# KiCad board digital.kicad_pcb (continued)
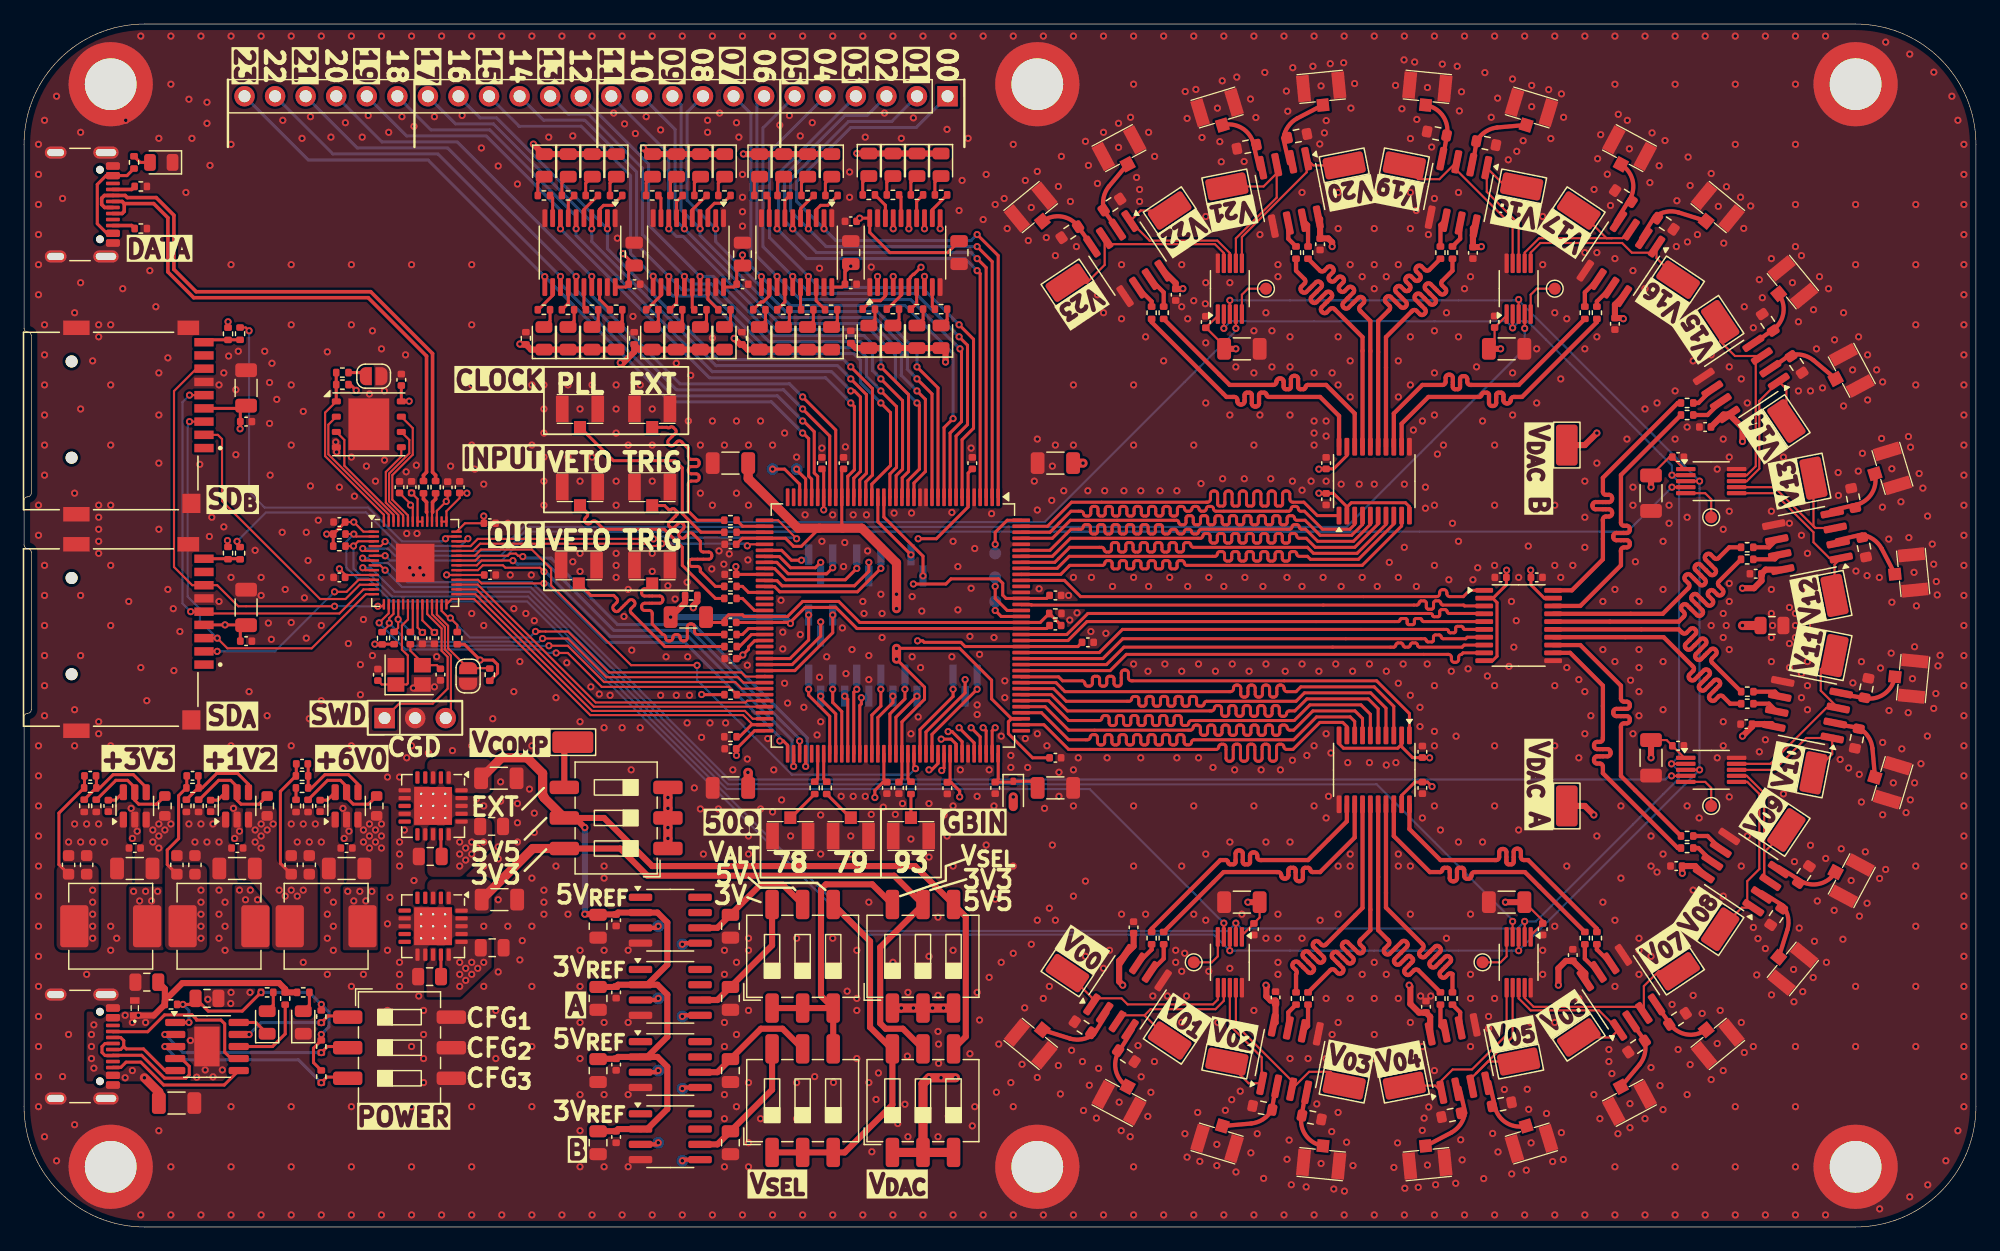
[diagram p0: board, top side]
## Routing (per net, layer and track width the routed paths; a pad name or vN(x,y) marks a point on that pad's centre or on a via; arc(x,y) is an arc through that point) (continued)
/MCU/USB_D+: length 46.2
  Top w0.298: 8.33,85.08 10.77,85.08 11.95,83.9 11.95,79.4 14.1,77.25 28.6,77.25 33.45,72.4 33.45,62.75 33.19,62.49 R25.1 ; 8.33,85.08 8.33,84.42 8.15,84.25 J20.B6 ; 8.33,85.08 8.15,85.25 J20.A6
/MCU/USB_D-: length 47.9
  Top w0.298: R26.1 34.2,62.49 33.94,62.75 33.94,72.61 28.8,77.75 14.3,77.75 12.45,79.6 12.45,84.1 10.98,85.58 8.58,85.58 8.4,85.75 J20.B7 6.68,85.75 6.45,85.52 6.45,85 6.7,84.75 J20.A7
/MCU/VREF_SCL: length 209.4
  Top w0.178: U15.2 v1(100.7,25.26) ; U18.2 v1(136.9,38.5) ; U20.2 v1(136.94,62.5) ; U23.2 v1(99.7,74.7) ; U4.3 27.77,57 v1(27.37,56.61) 27.37,56.6 R22.2 ; v1(123.7,74.74) U21.2 ; U16.2 v1(124.7,25.4)
  Bottom w0.178: v1(27.37,56.61) 27.37,54.74 27.9,54.21 28.79,54.21 30.6,52.4 41.9,52.4 69.7,24.6 100.04,24.6 v1(100.7,25.26) 101.15,24.81 124.11,24.81 v1(124.7,25.4) 125.63,25.4 136.22,35.98 137.49,37.26 137.49,37.91 v1(136.9,38.5) 137.53,39.13 137.53,61.91 v1(136.94,62.5) 136.94,63.29 126.47,73.77 124.94,75.29 124.25,75.29 v1(123.7,74.74) 123.15,75.29 100.29,75.29 v1(99.7,74.7)
/MCU/VREF_SDA: length 213.6
  Top w0.178: U4.2 27.6,57.4 v1(27.4,57.6) R23.2 ; U23.3 v1(100.2,77.03) ; U20.3 v1(139.23,62) ; U21.3 v1(124.2,77.1) ; U18.3 v1(139.23,38) ; U15.3 v1(100.2,22.97) ; U16.3 v1(124.2,22.97)
  Bottom w0.178: v1(100.2,77.03) 124.13,77.03 v1(124.2,77.1) 124.2,77.03 v1(139.23,62) v1(139.23,38) 139.23,38 129.22,27.98 v1(124.2,22.97) v1(100.2,22.97) 98.87,24.3 69.5,24.3 41.8,52 30.5,52 28.6,53.9 27.7,53.9 26.78,54.82 26.78,56.98 v1(27.4,57.6)
/MCU/XIN: length 9.6
  Top w0.178: C39.2 29.72,45.1 Y1.1 31.8,45.1 31.89,45.19 31.89,47.51 31.4,48 31.4,50 31.9,50.5 U4.20
/MCU/XOUT: length 2.4
  Top w0.178: U4.21 32.3,49.66 R37.2
/MCU/~{LDAC}0: length 85.9
  Top w0.178: v1(99.7,25.26) 99.7,25.26 U15.4 ; v1(28.15,54.8) 28.34,54.6 U4.9
  Bottom w0.178: v1(28.15,54.8) 28.8,54.8 30.8,52.8 42,52.8 58.4,36.4 88.56,36.4 v1(99.7,25.26)
/MCU/~{LDAC}1: length 108.2
  Top w0.178: v1(30,54.6) 29.6,55 U4.8 ; U16.4 v1(123.7,25.4)
  Bottom w0.178: v1(123.7,25.4) 123.7,25.5 112.4,36.8 58.5,36.8 42.1,53.2 31.4,53.2 v1(30,54.6)
/MCU/~{LDAC}2: length 118.7
  Top w0.178: U4.7 28.33,55.4 v1(28.13,55.6) ; v1(136.9,37.5) U18.4
  Bottom w0.178: v1(28.13,55.6) 28.6,55.6 29.01,55.19 30.24,55.19 31.83,53.6 42.2,53.6 58.6,37.2 136.4,37.2 136.7,37.5 v1(136.9,37.5)
/MCU/~{LDAC}3: length 111.7
  Top w0.178: U20.4 136.94,61.5 v1(136.94,61.5) ; U4.6 v1(30,55.8)
  Bottom w0.178: v1(30,55.8) 30.01,55.8 30.41,55.4 39.7,55.4 42.1,57.8 133.24,57.8 v1(136.94,61.5)
/MCU/~{LDAC}4: length 107.8
  Top w0.178: U21.4 v1(124.7,74.7) ; U4.5 28.34,56.2 v1(28.15,56.4)
  Bottom w0.178: v1(28.15,56.4) 28.15,56.39 30.24,56.39 30.83,55.8 39.6,55.8 42,58.2 109.9,58.2 124.7,73 v1(124.7,74.7)
/MCU/~{LDAC}5: length 81.1
  Top w0.178: U23.4 v1(100.7,74.7) ; v1(30,56.98) 30,56.97 29.63,56.6 U4.4
  Bottom w0.178: v1(100.7,74.7) 100.7,74.5 84.8,58.6 41.9,58.6 39.5,56.2 31,56.2 30.22,56.98 v1(30,56.98)
Net-(C40-Pad2): length 3.8
  Top w0.178: C40.2 34.3,46.7 Y1.3 33.1,46.9 32.1,47.9 R37.1
Net-(D1-A): length 1.8
  Top w0.254: R10.1 69.69,86.85 D1.2
Net-(D1-K): length 36.4
  Top w0.508: D4.1 D1.1 69.21,89.24 v1(69.2,89.25) ; v1(76.57,71.9) 76.57,72.69 D9.1 69.12,73.06 R19.1
  In2.Cu w0.508: v1(76.57,71.9) 76.57,75.58 73.65,78.5 73.65,80.49 70.2,83.94 70.2,88.25 v1(69.2,89.25)
Net-(D2-A): length 1.8
  Top w0.254: R11.1 71.69,86.85 D2.2
Net-(D3-A): length 1.8
  Top w0.254: R12.1 73.69,86.85 D3.2
Net-(D4-A): length 1.8
  Top w0.254: D4.2 75.69,86.85 R13.1
Net-(D5-A): length 1.6
  Top w0.254: D5.2 70.71,75.45 R14.1
Net-(D6-A): length 1.6
  Top w0.254: R15.1 72.71,75.45 D6.2
Net-(D7-K): length 6.2
  Top w0.254: U1.108 80.95,37.23 C19.1 82.13,36.98 D7.1 83.67,37.05 C20.1
Net-(D8-A): length 1.6
  Top w0.254: R16.1 74.71,75.45 D8.2
Net-(D9-A): length 1.6
  Top w0.254: D9.2 76.71,75.45 R18.1
Net-(D11-A): length 1.8
  Top w0.254: D11.2 23.71,18.45 R53.2
Net-(D12-A): length 1.8
  Top w0.254: D12.2 20.71,18.45 R54.2
Net-(D12-K): length 2.8
  Top w0.254: D12.1 19.26,17 U10.10
Net-(D13-A): length 1.8
  Top w0.254: 10.76,88.5 9.65,88.5 R58.1
Net-(D14-A): length 1.6
  Top w0.254: D14.2 67.58,75.29 R61.1
Net-(D14-K): length 31.6
  Top w0.508: v1(59,73.87) 59.51,73.36 59.7,73.36 60.13,72.94 D14.1 ; D18.1 D21.1 59.79,89.19 v1(59.77,89.2)
  In2.Cu w0.508: v1(59,73.87) 58.9,73.98 58.9,88.33 v1(59.77,89.2)
Net-(D15-A): length 1.6
  Top w0.254: D15.2 65.59,75.3 R62.1
Net-(D16-A): length 1.6
  Top w0.254: R63.1 63.6,75.31 D16.2
Net-(D17-A): length 1.6
  Top w0.254: R64.1 61.61,75.32 D17.2
Net-(D18-A): length 1.8
  Top w0.254: R65.1 66.59,86.78 D18.2
Net-(D19-A): length 1.8
  Top w0.254: D19.2 64.6,86.79 R66.1
Net-(D20-A): length 1.8
  Top w0.254: D20.2 62.61,86.8 R67.1
Net-(D21-A): length 1.7
  Top w0.254: D21.2 60.68,86.87 R68.1
Net-(D22-A): length 1.6
  Top w0.254: D22.2 58.71,75.32 R70.1
Net-(D22-K): length 35.5
  Top w0.508: v1(49.54,71.84) 49.8,71.84 50.7,72.74 R78.1 51.13,72.94 D22.1 ; D26.1 D29.1 51.96,89.19 v1(51.45,89.7)
  In2.Cu w0.508: v1(51.45,89.7) 51.45,73.75 v1(49.54,71.84)
Net-(D23-A): length 1.6
  Top w0.254: R71.1 56.71,75.32 D23.2
Net-(D24-A): length 1.6
  Top w0.254: D24.2 54.7,75.31 R72.1
Net-(D25-A): length 1.6
  Top w0.254: D25.2 52.71,75.32 R73.1
Net-(D26-A): length 1.8
  Top w0.254: D26.2 57.69,86.78 R74.1
Net-(D27-A): length 1.8
  Top w0.254: D27.2 55.7,86.79 R75.1
Net-(D28-A): length 1.8
  Top w0.254: R76.1 53.71,86.8 D28.2
Net-(D29-A): length 1.8
  Top w0.254: D29.2 51.69,86.78 R77.1
Net-(D30-A): length 1.6
  Top w0.254: D30.2 49.71,75.32 R80.1
Net-(D30-K): length 32.5
  Top w0.508: v1(41.2,73.4) 41.23,73.36 R88.1 42.13,72.94 D30.1 ; v1(42.32,90.02) 43.15,89.19 D37.1 D34.1
  In2.Cu w0.508: v1(41.2,73.4) 42.32,74.52 v1(42.32,90.02)
Net-(D31-A): length 1.6
  Top w0.254: R81.1 47.71,75.32 D31.2
Net-(D32-A): length 1.6
  Top w0.254: R82.1 45.71,75.32 D32.2
Net-(D33-A): length 1.6
  Top w0.254: R83.1 43.71,75.32 D33.2
Net-(D34-A): length 1.8
  Top w0.254: D34.2 48.69,86.78 R84.1
Net-(D35-A): length 1.8
  Top w0.254: R85.1 46.67,86.76 D35.2
Net-(D36-A): length 1.8
  Top w0.254: D36.2 44.69,86.78 R86.1
Net-(D37-A): length 1.8
  Top w0.254: R87.1 42.69,86.78 D37.2
Net-(J1-In): length 2.8
  Top w0.254: J1.1 63.73,34.03 R1.1
Net-(J2-In): length 2.8
  Top w0.254: J2.1 68.67,34.03 R2.1
Net-(J3-In): length 17
  Top w0.254: J3.1 53.42,66.47 arc(53.55,66.42) 53.68,66.47 arc(53.81,66.53) 53.94,66.47 54.15,66.27 arc(54.2,66.14) 54.15,66.01 53.55,65.41 arc(53.48,65.24) 53.55,65.07 53.64,64.99 arc(53.81,64.92) 53.98,64.99 54.27,65.29 arc(54.44,65.36) 54.61,65.29 55.2,64.7 55.2,64.05 arc(55.27,63.88) 55.44,63.81 55.86,63.81 arc(56.03,63.74) 56.1,63.57 56.1,63.45 arc(56.03,63.28) 55.86,63.21 55.44,63.21 arc(55.27,63.14) 55.2,62.97 55.2,62.85 arc(55.27,62.68) 55.44,62.61 55.86,62.61 arc(56.03,62.54) 56.1,62.37 56.1,62.25 arc(56.03,62.08) 55.86,62.01 55.44,62.01 arc(55.27,61.94) 55.2,61.77 55.2,59.5 55.95,58.75 R3.1
Net-(J4-In): length 2
  Top w0.254: J4.1 R4.1
Net-(J5-In): length 17.8
  Top w0.254: J5.1 48.98,63.7 54.1,63.7 54.7,63.1 54.7,59.3 56.25,57.75 R5.1
Net-(J6-In): length 17
  Top w0.254: R6.1 57.45,52.25 54.7,55 54.7,56.5 53.2,58 48.17,58 47.54,58.64 arc(47.37,58.71) 47.2,58.64 47.06,58.5 arc(46.89,58.43) 46.72,58.5 46.64,58.59 arc(46.57,58.76) 46.64,58.93 46.77,59.06 arc(46.84,59.23) 46.77,59.4 J6.1
Net-(J7-In): length 17
  Top w0.254: R7.1 53.25,48.25 50.44,51.06 arc(50.37,51.23) 50.44,51.4 50.71,51.67 arc(50.78,51.84) 50.71,52.01 50.62,52.09 arc(50.45,52.16) 50.28,52.09 49.41,51.22 arc(49.24,51.15) 49.07,51.22 48.98,51.3 arc(48.91,51.47) 48.98,51.64 49.25,51.91 arc(49.32,52.08) 49.25,52.25 49,52.5 47.1,52.5 46.2,53.4 46.2,53.47
Net-(J8-In): length 17
  Top w0.254: J8.1 53.23,59.97 53.53,59.67 arc(53.67,59.61) 53.8,59.67 arc(53.93,59.72) 54.06,59.67 54.25,59.48 arc(54.3,59.35) 54.25,59.22 53.62,58.58 arc(53.54,58.41) 53.62,58.24 53.7,58.16 arc(53.87,58.09) 54.04,58.16 54.37,58.49 arc(54.54,58.56) 54.71,58.49 54.8,58.4 arc(54.87,58.23) 54.8,58.07 54.46,57.73 arc(54.39,57.56) 54.46,57.39 54.55,57.31 arc(54.72,57.24) 54.89,57.31 55.22,57.64 arc(55.39,57.71) 55.56,57.64 56.2,57 56.2,56.35 arc(56.27,56.18) 56.44,56.11 56.91,56.11 arc(57.08,56.04) 57.15,55.87 57.15,55.75 arc(57.08,55.58) 56.91,55.51 55.49,55.51 arc(55.32,55.44) 55.25,55.27 55.25,55.15 arc(55.32,54.98) 55.49,54.91 55.96,54.91 arc(56.13,54.84) 56.2,54.67 56.2,54.5 57.45,53.25 R8.1
Net-(J9-In): length 17
  Top w0.254: R9.1 55.96,49.25 arc(55.79,49.32) 55.72,49.49 55.72,49.89 arc(55.65,50.06) 55.48,50.13 55.36,50.13 arc(55.19,50.06) 55.12,49.89 55.12,48.96 arc(55.05,48.79) 54.88,48.72 54.76,48.72 arc(54.59,48.79) 54.52,48.96 54.52,49.01 arc(54.45,49.18) 54.28,49.25 54.16,49.25 arc(53.99,49.18) 53.92,49.01 53.92,48.96 arc(53.85,48.79) 53.68,48.72 53.56,48.72 arc(53.39,48.79) 53.32,48.96 53.32,49.01 arc(53.25,49.18) 53.08,49.25 52.2,50.13 52.2,51.01 arc(52.13,51.18) 51.96,51.25 51.56,51.25 arc(51.39,51.32) 51.32,51.49 51.32,51.61 arc(51.39,51.78) 51.56,51.85 52.84,51.85 arc(53.01,51.92) 53.08,52.09 53.08,52.21 arc(53.01,52.38) 52.84,52.45 51.56,52.45 arc(51.39,52.52) 51.32,52.69 51.32,52.81 arc(51.39,52.98) 51.56,53.05 51.96,53.05 arc(52.13,53.12) 52.2,53.29 J9.1
Net-(J10-Pin_1): length 4.2
  Top w0.254: v1(64.6,55.43) 63.77,55.43 62.95,56.25 U1.42
  Bottom w0.254: J10.1 64.75,55.43 v1(64.6,55.43)
Net-(J10-Pin_2): length 6.4
  Top w0.254: U1.43 61.56,55.73 62.77,55.73 63.7,54.8 65.75,54.8 v1(66.2,55.25)
  Bottom w0.254: v1(66.2,55.25) J10.2
Net-(J10-Pin_3): length 7.3
  Top w0.254: U1.44 62.55,55.25 63.5,54.3 66.7,54.3 v1(67.2,54.8)
  Bottom w0.254: v1(67.2,54.8) J10.3
Net-(J11-Pin_1): length 9.6
  Top w0.254: U1.45 61.56,54.73 62.37,54.73 63.3,53.8 68.25,53.8 v1(69.2,54.75)
  Bottom w0.254: v1(69.2,54.75) J11.1
Net-(J11-Pin_2): length 11.2
  Top w0.254: v1(70.2,55.25) 70.2,54.5 69,53.3 63,53.3 62.57,53.73 61.56,53.73 U1.47
  Bottom w0.254: v1(70.2,55.25) J11.2
Net-(J11-Pin_3): length 11.8
  Top w0.254: v1(71.2,54.75) 69.25,52.8 62.8,52.8 62.37,53.23 61.56,53.23 U1.48
  Bottom w0.254: v1(71.2,54.75) J11.3
Net-(J12-Pin_1): length 7.3
  Top w0.254: U1.80 66.95,42.45 65.2,44.2 v1(65.2,44.7)
  Bottom w0.254: v1(65.2,44.7) J12.1
Net-(J12-Pin_2): length 5.3
  Top w0.254: v1(66.2,44.12) 66.2,43.9 67.45,42.65 U1.81
Net-(J12-Pin_3): length 6.8
  Top w0.254: v1(67.2,44.7) 67.2,43.6 67.95,42.85 U1.82
  Bottom w0.254: v1(67.2,44.7) J12.3
Net-(J12-Pin_4): length 4.9
  Top w0.254: v1(68.2,44.12) 68.45,43.88 U1.83
Net-(J12-Pin_5): length 6.6
  Top w0.254: v1(69.2,44.7) 68.95,44.45 U1.84
  Bottom w0.254: v1(69.2,44.7) J12.5
Net-(J12-Pin_6): length 5.4
  Top w0.254: U1.85 69.45,43.35 69.58,43.48 v1(69.58,44)
  Bottom w0.254: J12.6 70.07,44 v1(69.58,44)
Net-(J12-Pin_7): length 6.8
  Top w0.254: v1(71.2,44.7) 71.2,43.3 70.45,42.55 U1.87
  Bottom w0.254: v1(71.2,44.7) J12.7
Net-(J12-Pin_8): length 5.3
  Top w0.254: v1(72.2,44.12) 72.2,43.6 70.95,42.35 U1.88
Net-(J12-Pin_9): length 7.1
  Top w0.254: v1(73.2,44.7) 73.2,43.9 71.95,42.65 U1.90
  Bottom w0.254: v1(73.2,44.7) J12.9
Net-(J12-Pin_10): length 5.5
  Top w0.254: U1.91 72.45,42.38 v1(74.2,44.12)
Net-(J13-Pin_1): length 6.4
  Top w0.254: v1(65.2,50.88) 65.2,48.8 63.65,47.25 U1.60
Net-(J13-Pin_2): length 8
  Top w0.254: v1(66.2,50.3) J13.2 63.83,46.75 U1.61
  Bottom w0.254: v1(66.2,50.3) J13.2
Net-(J13-Pin_3): length 8.4
  Top w0.254: v1(67.2,50.88) 67.2,49.4 64.05,46.25 U1.62
Net-(J14-Pin_1): length 5.9
  Top w0.254: v1(73.7,55.88) 70.95,58.62 U1.21
Net-(J14-Pin_2): length 7.9
  Top w0.254: U1.20 71.45,59.01 74.7,55.76 v1(74.7,54.12)
Net-(J15-Pin_1): length 7.7
  Top w0.254: U1.95 74.45,41.35 77.2,44.1 v1(77.2,44.7)
  Bottom w0.254: v1(77.2,44.7) J15.1
Net-(J15-Pin_2): length 8.9
  Top w0.254: v1(78.2,45.5) 78.2,44.4 74.95,41.15 U1.96
  Bottom w0.254: v1(78.2,45.5) J15.2
Net-(J15-Pin_3): length 8.1
  Top w0.254: U1.97 75.45,40.95 v1(79.2,44.7)
  Bottom w0.254: v1(79.2,44.7) J15.3
Net-(J16-DET): length 3
  Top w0.254: J16.9 17.9,55.55 R33.1
Net-(J18-DET): length 3.1
  Top w0.254: J18.9 15.15,73.75 R36.1
Net-(J19-CC1): length 14
  Top w0.254: U10.7 17.2,14 16.67,14.53 16.67,16.88 16.36,17.2 14.33,17.2 14.33,17.26 13.96,17.63 11.67,17.63 10.27,16.23 7.4,16.23 J19.A5
Net-(J19-CC2): length 11.9
  Top w0.254: J19.B5 7.4,13.27 8.05,13.27 8.48,13.7 9.7,13.7 11.6,11.8 16.64,11.8 U10.6
Net-(J20-CC1): length 1.9
  Top w0.298: R59.2 8.94,86.25 J20.A5
Net-(J20-CC2): length 1.9
  Top w0.298: J20.B5 8.94,83.25 R60.1
Net-(J20-VBUS-PadA4): length 8.5
  Top w0.254: J20.A9 6.88,82.6 6.08,83.4 6.08,86.67 6.81,87.4 J20.A4 8.55,87.4 R58.2
Net-(JP1-B): length 8.2
  Top w0.178: R24.1 38.67,46.45 JP1.2 35.24,48.11 35.24,49.97 34.3,50.91 U4.26
Net-(JP2-B): length 1.6
  Top w0.254: JP2.2 28.1,71.03 R27.1
Net-(R48-Pad2): length 1
  Top w0.254: R48.2 22.6,36.49 R50.2 22.6,35.49
Net-(SW6-Pad4): length 4.1
  Top w0.508: SW6.4 44.89,39.59 TP44.1
Net-(U1A-IOT_197_GBIN1): length 3.1
  Top w0.254: v1(80.7,51.25) 81.2,50.75 U1.128
  Bottom w0.254: v1(80.7,51.25) TP1.1
Net-(U1A-IOT_198_GBIN0): length 4.3
  Top w0.254: v1(80.7,53.25) 80.7,52.25 81.7,51.25 U1.129
  Bottom w0.254: v1(80.7,53.25) TP2.1
Net-(U1A-IOT_222): length 4.3
  Top w0.254: v1(80.7,56.75) 80.7,57.75 81.7,58.75 U1.144
  Bottom w0.254: v1(80.7,56.75) TP3.1
Net-(U1D-IOL_25A): length 2.6
  Top w0.254: U1.33 64.95,62.18 64.2,62.93 v1(64.2,63)
Net-(U1D-IOL_25B): length 3.9
  Top w0.254: v1(62.2,63) 63.2,63 64.45,61.75 U1.34
Net-(U1E-GNDPLL0): length 32.2
  Top w0.254: C21.2 86.18,50.02 85.2,51 R20.1 84.44,50.25 U1.127 69.45,50.25 67.7,52 64.7,52 63.45,50.75 U1.53 59.84,50.75 59.7,50.89 58.55,50.89 58.22,50.56 C22.2 57.12,50.25 C23.2
Net-(U1E-VCCPLL0): length 42
  Top w0.254: U1.54 C22.1 ; U1.54 63.6,50.25 v1(63.68,50.17) ; U1.54 63.65,50.25 64.9,51.5 67.46,51.5 69.21,49.75 U1.126 84.97,49.75 C21.1
  Top w0.508: R17.2 54.93,51.91 v1(53.73,50.7)
  Bottom w0.508: v1(63.68,50.17) 63.15,50.7 v1(53.73,50.7)
Net-(U2-1Y0): length 2.3
  Top w0.254: U2.18 71.58,84.94 R10.2
Net-(U2-1Y1): length 2
  Top w0.254: U2.16 72.88,85.64 R11.2
Net-(U2-1Y2): length 2.2
  Top w0.254: R12.2 74.17,85.27 U2.14
Net-(U2-1Y3): length 2.4
  Top w0.254: U2.12 75.48,84.56 R13.2
Net-(U2-2Y0): length 3.1
  Top w0.254: R14.2 70.39,77 71.17,77 71.58,77.4 U2.3
Net-(U2-2Y1): length 2.4
  Top w0.254: U2.5 72.88,77.44 71.73,76.3 R15.2
Net-(U2-2Y2): length 2
  Top w0.254: R16.2 74.17,76.78 U2.7
Net-(U2-2Y3): length 1.9
  Top w0.254: R18.2 75.48,76.52 U2.9
Net-(U5-BOOT): length 1.5
  Top w0.254: U5.6 16.09,35.48 C41.1
Net-(U5-EN): length 8.1
  Top w0.254: R41.2 14.56,35.52 16.17,37.13 17.17,37.13 17.7,36.6 U5.5 17.7,35.48 18.03,35.15 19.52,35.15 R39.2
Net-(U5-FB): length 8.1
  Top w0.254: R38.1 14.8,36.5 16,37.7 17.75,37.7 18.65,36.8 U5.4 ; R38.1 14.47,36.5 R40.2 ; R38.1 14.51,37.47 C44.1
Net-(U5-SW): length 0.4
  Top w0.254: 17.7,34.26 U5.2
  vias: v1(17.4,34.8) v1(17.5,32.3) v1(17.9,32.9) v1(17.9,28) v1(18.4,27.2) v1(18.8,28) v1(19.4,27.2)
Net-(U6-NR): length 1.9
  Top w0.254: U6.14 34.64,20.72 34.65,20.71
Net-(U7-NR): length 1.9
  Top w0.254: C53.1 34.64,30.86 U7.14
Net-(U8-BOOT): length 1.5
  Top w0.254: U8.6 7.59,35.48 C51.1
Net-(U8-EN): length 8.1
  Top w0.254: R45.2 6.02,35.52 7.63,37.13 8.6,37.13 9.2,36.53 U8.5 9.2,35.48 9.53,35.15 11.02,35.15 R43.2
Net-(U8-FB): length 7.9
  Top w0.254: U8.4 10.15,36.53 9.08,37.6 7.4,37.6 6.3,36.5 R42.1 ; C56.1 6.01,37.47 R42.1 ; R42.1 5.98,36.5 R44.2
Net-(U8-SW): length 0.4
  Top w0.254: 9.2,34.26 U8.2
  vias: v1(8.9,34.8) v1(9,32.3) v1(9.1,27.9) v1(9.4,32.9) v1(9.6,27.1) v1(10.1,27.9) v1(10.6,27.1) v1(11.1,27.9)
Net-(U9-BOOT): length 1.5
  Top w0.254: U9.6 25.19,35.48 C59.1
Net-(U9-EN): length 8
  Top w0.254: R49.2 23.6,35.51 25.22,37.13 26.29,37.13 26.8,36.62 U9.5 26.8,35.7 27.35,35.15 28.62,35.15 R47.2
Net-(U9-FB): length 7.6
  Top w0.254: U9.4 27.75,36.8 26.95,37.6 25,37.6 23.9,36.5 R48.1 R46.1 23.61,38.47 C62.1
Net-(U9-SW):
  vias: v1(26.5,34.8) v1(26.6,32.3) v1(26.9,27.9) v1(27,32.9) v1(27.4,27.1) v1(27.9,27.9) v1(28.4,27.1) v1(28.9,27.9)
Net-(U10-CFG1): length 9.7
  Top w0.254: U10.9 v1(18.7,16) ; 24.71,16.99 v1(24.7,16.98) 25.26,17.54 26.89,17.54
  Bottom w0.254: v1(18.7,16) 19.68,16.98 v1(24.7,16.98)
Net-(U10-CFG2): length 16.9
  Top w0.254: v1(24.7,14.49) 25.21,15 26.89,15 ; U10.2 v1(11.7,16)
  Bottom w0.254: v1(24.7,14.49) 13.21,14.49 v1(11.7,16)
Net-(U10-CFG3): length 17.5
  Top w0.254: 26.89,12.46 25.17,12.46 v1(24.7,11.99) ; U10.3 v1(11.7,15)
  Bottom w0.254: v1(24.7,11.99) 22.79,13.9 12.8,13.9 v1(11.7,15)
Net-(U10-DM): length 7.6
  Top w0.254: J19.A7 8.03,14.75 8.28,15.01 ; U10.5 11.72,13 9.92,14.8 8.49,14.8 8.28,15.01 ; J19.B7 8.03,15.75 8.28,15.49 8.28,15.01
Net-(U10-DP): length 11.9
  Top w0.254: U10.4 13.08,14 13.73,13.35 13.73,12.65 13.45,12.37 11.67,12.37 9.77,14.27 7.4,14.27 J19.B6 6.73,14.25 6.48,14.51 6.48,14.99 6.73,15.25 J19.A6
Net-(U10-VBUS): length 6.7
  Top w0.254: U10.8 20.65,15 21.7,16.05 R51.2
Net-(U10-VDD): length 23.6
  Top w0.254: R52.2 v1(13.2,18.5) 13.75,18.5 C67.1 15.3,17.95 18.14,17.95 v1(19.69,19.5) ; R57.2 24.05,13.66 24.05,14.86 R56.2 v1(24.7,16) ; R55.2 v1(24.7,18.5) ; U10.1 v1(13.7,17)
  Bottom w0.254: v1(13.7,17) 13.7,18 v1(13.2,18.5) ; v1(24.7,16) 25.33,16.63 25.33,17.87 v1(24.7,18.5) 23.7,19.5 v1(19.69,19.5)
Net-(U11-1Y0): length 2.2
  Top w0.254: U11.18 65.83,76.99 66.56,76.26 R61.2
Net-(U11-1Y1): length 1.9
  Top w0.254: U11.16 64.53,76.3 R62.2
Net-(U11-1Y2): length 2.2
  Top w0.254: U11.14 63.23,76.89 R63.2
Net-(U11-1Y3): length 2.5
  Top w0.254: U11.12 61.92,77.4 61.42,76.9 61.24,76.9 R64.2
Net-(U11-2Y0): length 3
  Top w0.254: R65.2 66.79,84.93 66.19,84.93 65.83,84.56 U11.3
Net-(U11-2Y1): length 2.3
  Top w0.254: R66.2 64.53,84.66 U11.5
Net-(U11-2Y2): length 2.1
  Top w0.254: U11.7 63.23,85.34 R67.2
Net-(U11-2Y3): length 2
  Top w0.254: R68.2 61.92,85.53 U11.9
Net-(U12-1Y0): length 2.2
  Top w0.254: R70.2 56.83,77.11 U12.18
Net-(U12-1Y1): length 2
  Top w0.254: U12.16 55.53,76.42 R71.2
Net-(U12-1Y2): length 2.1
  Top w0.254: R72.2 54.23,76.8 U12.14
Net-(U12-1Y3): length 2.4
  Top w0.254: R73.2 51.73,76.25 52.92,77.44 U12.12
Net-(U12-2Y0): length 3.1
  Top w0.254: R74.2 58.06,85.1 57.37,85.1 56.83,84.56 U12.3
Net-(U12-2Y1): length 2.4
  Top w0.254: U12.5 55.53,84.56 56.72,85.75 R75.2
Net-(U12-2Y2): length 2.1
  Top w0.254: R76.2 54.23,85.25 U12.7
Net-(U12-2Y3): length 2
  Top w0.254: R77.2 52.92,85.53 U12.9
Net-(U13-1Y0): length 2.2
  Top w0.254: R80.2 47.83,77.11 U13.18
Net-(U13-1Y1): length 2
  Top w0.254: R81.2 46.53,76.42 U13.16
Net-(U13-1Y2): length 2.1
  Top w0.254: R82.2 45.23,76.78 U13.14
Net-(U13-1Y3): length 2.4
  Top w0.254: R83.2 42.73,76.25 43.92,77.44 U13.12
Net-(U13-2Y0): length 3.1
  Top w0.254: U13.3 47.83,84.6 48.15,84.93 48.89,84.93 R84.2
Net-(U13-2Y1): length 2.4
  Top w0.254: U13.5 46.53,84.58 R85.2
Net-(U13-2Y2): length 2.1
  Top w0.254: U13.7 45.23,85.27 R86.2
Net-(U13-2Y3): length 2
  Top w0.254: R87.2 43.92,85.53 U13.9
Net-(U14-Temp): length 1.5
  Top w0.356: v1(52.7,7) 52.56,6.87 U14.3
Net-(U14-Trim/NR): length 1.5
  Top w0.356: v1(54.7,5.5) 54.8,5.59 U14.5
Net-(U15-RDY/~{BSY}): length 3.8
  Top w0.178: U15.5 99.2,22.5 98.7,22 TP11.1
Net-(U16-RDY/~{BSY}): length 3.8
  Top w0.178: U16.5 123.2,22.5 122.7,22 TP18.1
Net-(U17-Temp): length 1.5
  Top w0.356: U17.3 52.56,12.87 v1(52.7,13)
Net-(U17-Trim/NR): length 1.5
  Top w0.356: v1(54.7,11.5) 54.8,11.59 U17.5
Net-(U18-RDY/~{BSY}): length 3.8
  Top w0.178: U18.5 139.7,37 140.2,36.5 TP23.1
Net-(U19-Temp): length 1.5
  Top w0.356: U19.3 52.56,18.87 v1(52.7,19)
Net-(U19-Trim/NR): length 1.5
  Top w0.356: v1(54.7,17.5) 54.8,17.59 U19.5
Net-(U20-RDY/~{BSY}): length 3.8
  Top w0.178: U20.5 139.7,61 140.2,60.5 TP31.1
Net-(U21-RDY/~{BSY}): length 3.8
  Top w0.178: TP38.1 125.7,78 125.2,77.5 U21.5
Net-(U22-Temp): length 1.5
  Top w0.356: v1(52.7,25) 52.56,24.86 U22.3
Net-(U22-Trim/NR): length 1.5
  Top w0.356: U22.5 54.8,23.59 v1(54.7,23.5)
Net-(U23-RDY/~{BSY}): length 3.8
  Top w0.178: TP43.1 101.7,78 101.2,77.5 U23.5
Net-(U24-B1): length 25
  Top w0.356: R91.2 130.7,24.79 124.99,30.5 124.62,30.5 arc(124.45,30.57) 124.38,30.74 124.38,31.2 arc(124.31,31.37) 124.14,31.44 124.02,31.44 arc(123.85,31.37) 123.78,31.2 123.78,30.32 arc(123.73,30.2) 123.61,30.14 123.36,30.14 arc(123.24,30.2) 123.18,30.32 123.18,31.18 arc(123.11,31.35) 122.94,31.42 122.82,31.42 arc(122.65,31.35) 122.58,31.18 122.58,30.74 arc(122.51,30.57) 122.34,30.5 117.7,30.5 115.13,33.08 U24.20
Net-(U24-B2): length 25
  Top w0.356: R92.2 124.72,29.5 120.51,29.5 arc(120.34,29.43) 120.27,29.26 120.27,29.18 arc(120.2,29.01) 120.03,28.94 119.91,28.94 arc(119.74,29.01) 119.67,29.18 119.67,29.68 arc(119.62,29.8) 119.5,29.86 119.25,29.86 arc(119.13,29.8) 119.07,29.68 119.07,28.98 arc(119,28.81) 118.83,28.74 118.71,28.74 arc(118.54,28.81) 118.47,28.98 118.47,29.68 arc(118.42,29.8) 118.3,29.86 118.03,29.86 arc(117.9,29.8) 117.85,29.68 arc(117.8,29.55) 117.67,29.5 116.82,29.5 113.83,32.49 U24.18
Net-(U24-B3): length 25
  Top w0.356: U24.17 113.17,26.55 116.24,23.48 arc(116.31,23.31) 116.24,23.14 115.99,22.9 arc(115.92,22.73) 115.99,22.56 116.08,22.47 arc(116.25,22.4) 116.42,22.47 117.25,23.31 arc(117.42,23.38) 117.59,23.31 117.68,23.22 arc(117.75,23.05) 117.68,22.88 116.84,22.05 arc(116.77,21.88) 116.84,21.71 116.92,21.62 arc(117.09,21.55) 117.26,21.62 118.1,22.46 arc(118.27,22.53) 118.44,22.46 118.52,22.37 arc(118.59,22.2) 118.52,22.03 117.69,21.2 arc(117.62,21.03) 117.69,20.86 117.77,20.77 arc(117.94,20.7) 118.11,20.77 118.36,21.02 arc(118.53,21.09) 118.7,21.02 R93.2
Net-(U24-B4): length 25
  Top w0.356: U24.16 112.52,24.67 113.39,23.81 arc(113.46,23.64) 113.39,23.47 113.05,23.13 arc(112.98,22.96) 113.05,22.79 113.14,22.7 arc(113.31,22.63) 113.48,22.7 114.5,23.72 arc(114.67,23.79) 114.84,23.72 114.92,23.64 arc(114.99,23.47) 114.92,23.3 113.9,22.28 arc(113.83,22.11) 113.9,21.94 113.99,21.85 arc(114.16,21.78) 114.33,21.85 114.96,22.49 arc(115.09,22.54) 115.21,22.49 115.39,22.32 arc(115.44,22.19) 115.39,22.07 114.75,21.43 arc(114.68,21.26) 114.75,21.09 114.83,21.01 arc(115,20.94) 115.17,21.01 115.51,21.35 arc(115.68,21.42) 115.85,21.35 R94.2
Net-(U24-B5): length 25
  Top w0.356: R95.2 108.56,21.36 arc(108.73,21.43) 108.9,21.36 109.16,21.1 arc(109.33,21.03) 109.5,21.1 109.58,21.19 arc(109.65,21.36) 109.58,21.53 108.73,22.38 arc(108.66,22.55) 108.73,22.72 108.81,22.81 arc(108.98,22.88) 109.15,22.81 110.01,21.95 arc(110.18,21.88) 110.35,21.95 110.43,22.04 arc(110.5,22.21) 110.43,22.38 109.58,23.23 arc(109.51,23.4) 109.58,23.57 109.66,23.66 arc(109.83,23.73) 110,23.66 110.86,22.8 arc(111.03,22.73) 111.2,22.8 111.28,22.89 arc(111.35,23.06) 111.28,23.22 111.02,23.48 arc(110.95,23.65) 111.02,23.82 111.88,24.67 U24.15
Net-(U24-B6): length 25
  Top w0.356: U24.14 111.23,26.53 108.16,23.46 arc(107.99,23.39) 107.82,23.46 107.57,23.71 arc(107.4,23.78) 107.23,23.71 107.15,23.62 arc(107.08,23.45) 107.15,23.28 107.98,22.45 arc(108.05,22.28) 107.98,22.11 107.9,22.02 arc(107.73,21.95) 107.56,22.02 106.72,22.86 arc(106.55,22.93) 106.39,22.86 106.3,22.78 arc(106.23,22.61) 106.3,22.44 107.14,21.6 arc(107.21,21.43) 107.14,21.26 107.05,21.18 arc(106.88,21.11) 106.71,21.18 105.88,22.01 arc(105.71,22.08) 105.54,22.01 105.45,21.93 arc(105.38,21.76) 105.45,21.59 105.7,21.34 arc(105.77,21.17) 105.7,21 R98.2
Net-(U24-B7): length 25
  Top w0.356: R99.2 99.68,29.5 104.23,29.5 arc(104.4,29.43) 104.47,29.26 104.47,29.2 arc(104.54,29.03) 104.71,28.96 104.83,28.96 arc(105,29.03) 105.07,29.2 105.07,29.68 arc(105.12,29.8) 105.24,29.86 105.49,29.86 arc(105.61,29.8) 105.67,29.68 105.67,28.99 arc(105.74,28.82) 105.91,28.75 106.03,28.75 arc(106.2,28.82) 106.27,28.99 106.27,29.68 arc(106.32,29.8) 106.44,29.86 106.71,29.86 arc(106.84,29.8) 106.89,29.68 arc(106.94,29.55) 107.07,29.5 107.7,29.5 110.58,32.38 U24.13
Net-(U24-B8): length 25
  Top w0.356: U24.12 109.92,33.73 106.7,30.5 102.72,30.5 arc(102.55,30.57) 102.48,30.74 102.48,30.89 arc(102.41,31.06) 102.24,31.13 102.12,31.13 arc(101.95,31.06) 101.88,30.89 101.88,30.32 arc(101.82,30.2) 101.7,30.14 101.45,30.14 arc(101.33,30.2) 101.28,30.32 101.28,31.06 arc(101.21,31.23) 101.04,31.3 100.92,31.3 arc(100.75,31.23) 100.68,31.06 100.68,30.32 arc(100.62,30.2) 100.5,30.14 100.23,30.14 arc(100.11,30.2) 100.05,30.32 arc(100,30.45) 99.88,30.5 99.41,30.5 93.7,24.79 R100.2
Net-(U29-B1): length 25
  Top w0.356: R105.2 137.42,68.5 131.2,62.28 131.2,61.1 arc(131.27,60.93) 131.44,60.86 131.72,60.86 arc(131.89,60.79) 131.96,60.62 131.96,60.5 arc(131.89,60.33) 131.72,60.26 130.58,60.26 arc(130.41,60.19) 130.34,60.02 130.34,59.9 arc(130.41,59.73) 130.58,59.66 131.72,59.66 arc(131.89,59.59) 131.96,59.42 131.96,59.3 arc(131.89,59.13) 131.72,59.06 131.44,59.06 arc(131.27,58.99) 131.2,58.82 131.2,55.5 128.62,52.92 U29.20
Net-(U29-B2): length 25
  Top w0.356: U29.18 129.32,51.62 132.7,55 132.7,56.25 arc(132.77,56.42) 132.94,56.49 133.2,56.49 arc(133.37,56.56) 133.44,56.73 133.44,56.85 arc(133.37,57.02) 133.2,57.09 132.3,57.09 arc(132.13,57.16) 132.06,57.33 132.06,57.45 arc(132.13,57.62) 132.3,57.69 133.2,57.69 arc(133.37,57.76) 133.44,57.93 133.44,58.05 arc(133.37,58.22) 133.2,58.29 132.94,58.29 arc(132.77,58.36) 132.7,58.53 132.7,62.51 R106.2
